# KiCad board ciaa_acc.kicad_pcb (continued)
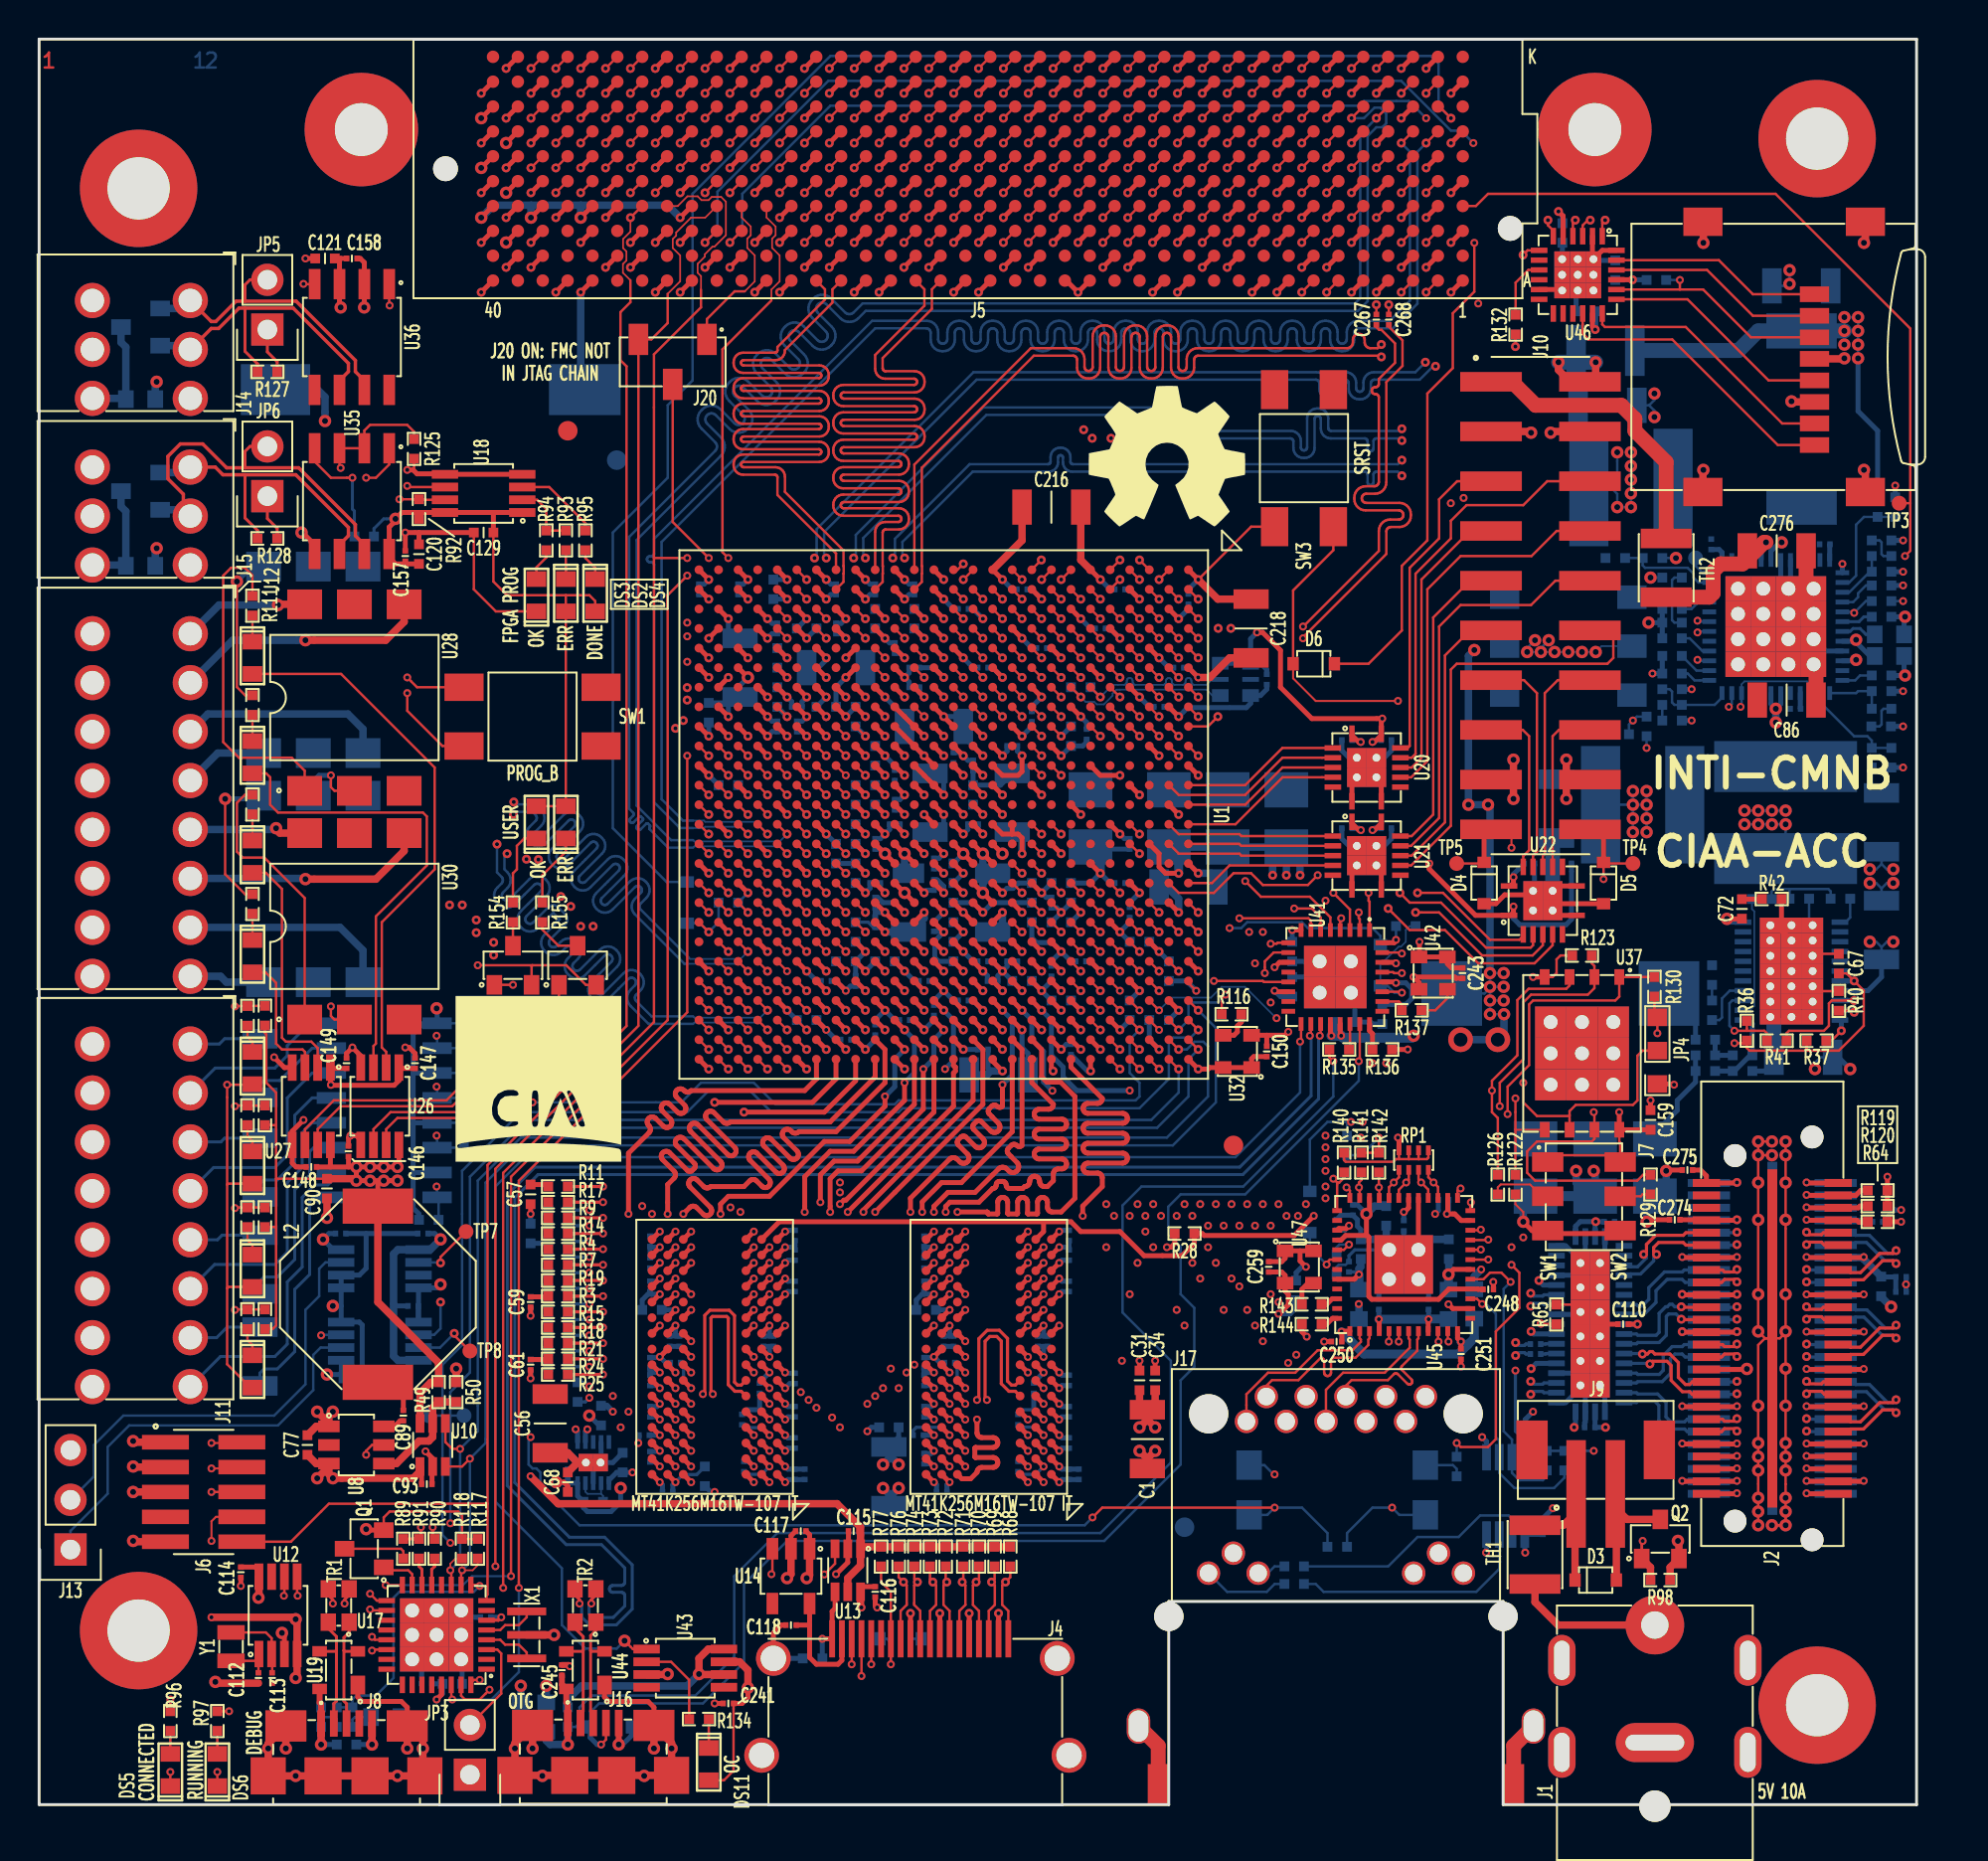
[diagram p0: board, top side]
## Routing (per net, layer and track width the routed paths; a pad name or vN(x,y) marks a point on that pad's centre or on a via; arc(x,y) is an arc through that point) (continued)
/Principal/BANKS_HR/FMC_CLK0_M2C_N: length 93.8
  TOP_L1.Sig w0.127: J5.H5 67.62,86.73 v2(67.03,86.13) ; U1.AB14 v2(38.2,49.57)
  BOT_L12.Sig w0.089: 33.4,49.26 33.47,49.19 37.82,49.19 v2(38.2,49.57)
  BOT_L12.Sig w0.127: v2(67.03,86.13) 67.66,86.13 68.2,86.67 68.5,86.67 68.8,86.37 68.8,85.87 68.6,85.67 68.3,85.67 67.85,85.22 67.85,76.78 67.36,76.29 42.21,76.29 41.84,75.92 41.73,75.83 41.6,75.76 41.45,75.73 41.31,75.73 41.17,75.76 41.04,75.83 40.92,75.92 40.21,76.63 40.16,76.67 40.1,76.7 40.03,76.71 39.96,76.71 39.89,76.7 39.83,76.67 39.78,76.63 39.73,76.57 39.7,76.51 39.69,76.44 39.69,76.37 39.7,76.31 39.73,76.24 39.78,76.19 40.48,75.48 40.57,75.37 40.64,75.23 40.67,75.09 40.67,74.95 40.64,74.81 40.57,74.67 40.48,74.56 40.43,74.5 40.31,74.41 40.18,74.35 40.04,74.32 39.89,74.32 39.75,74.35 39.62,74.41 39.51,74.5 38.8,75.21 38.74,75.26 38.68,75.29 38.61,75.3 38.55,75.3 38.48,75.29 38.41,75.26 38.36,75.21 38.32,75.16 38.29,75.1 38.27,75.03 38.27,74.96 38.29,74.89 38.32,74.83 38.36,74.77 39.07,74.07 39.16,73.95 39.22,73.82 39.26,73.68 39.26,73.53 39.22,73.39 39.16,73.26 39.07,73.15 39.01,73.09 38.9,73 38.77,72.94 38.63,72.9 38.48,72.9 38.34,72.94 38.21,73 38.09,73.09 37.38,73.8 37.33,73.84 37.27,73.87 37.2,73.89 37.13,73.89 37.06,73.87 37,73.84 36.95,73.8 36.9,73.74 36.87,73.68 36.86,73.61 36.86,73.54 36.87,73.48 36.9,73.41 36.95,73.36 37.65,72.65 37.75,72.54 37.81,72.41 37.84,72.26 37.84,72.12 37.81,71.98 37.75,71.85 37.65,71.73 37.6,71.68 37.48,71.58 37.35,71.52 37.21,71.49 37.07,71.49 36.92,71.52 36.79,71.58 36.68,71.68 35.97,72.38 35.92,72.43 35.85,72.46 35.79,72.47 35.72,72.47 35.65,72.46 35.59,72.43 35.53,72.38 35.49,72.33 35.46,72.27 35.44,72.2 35.44,72.13 35.46,72.06 35.49,72 35.53,71.95 36.24,71.24 36.33,71.12 36.39,70.99 36.43,70.85 36.43,70.7 36.39,70.56 36.33,70.43 36.24,70.32 36.18,70.26 36.07,70.17 35.94,70.11 35.8,70.07 35.65,70.07 35.51,70.11 35.38,70.17 35.26,70.26 34.56,70.97 34.5,71.01 34.44,71.04 34.37,71.06 34.3,71.06 34.23,71.04 34.17,71.01 34.12,70.97 34.07,70.92 34.04,70.85 34.03,70.79 34.03,70.72 34.04,70.65 34.07,70.59 34.12,70.53 34.83,69.82 34.92,69.71 34.98,69.58 35.01,69.44 35.01,69.29 34.98,69.15 34.92,69.02 34.83,68.9 32.32,66.4 30.52,64.59 30.52,51.02 32.28,49.26 33.4,49.26
/Principal/BANKS_HR/FMC_CLK0_M2C_P: length 93.8
  TOP_L1.Sig w0.127: J5.H4 68.89,86.73 v2(68.3,86.13) ; U1.AB15 v2(38.2,48.57)
  BOT_L12.Sig w0.089: 33.4,48.88 33.47,48.95 37.82,48.95 v2(38.2,48.57)
  BOT_L12.Sig w0.127: v2(68.3,86.13) 67.47,85.31 67.47,76.94 67.2,76.67 42.06,76.67 41.6,76.22 41.55,76.17 41.48,76.14 41.42,76.13 41.35,76.13 41.28,76.14 41.22,76.17 41.16,76.22 40.45,76.92 40.34,77.01 40.21,77.08 40.07,77.11 39.92,77.11 39.78,77.08 39.65,77.01 39.53,76.92 39.48,76.87 39.39,76.75 39.32,76.62 39.29,76.48 39.29,76.33 39.32,76.19 39.39,76.06 39.48,75.95 40.19,75.24 40.23,75.18 40.26,75.12 40.27,75.05 40.27,74.99 40.26,74.92 40.23,74.86 40.19,74.8 40.13,74.76 40.07,74.73 40,74.71 39.93,74.71 39.86,74.73 39.8,74.76 39.75,74.8 39.04,75.51 38.93,75.6 38.79,75.66 38.65,75.7 38.51,75.7 38.36,75.66 38.23,75.6 38.12,75.51 38.06,75.45 37.97,75.34 37.91,75.21 37.88,75.07 37.88,74.92 37.91,74.78 37.97,74.65 38.06,74.53 38.77,73.82 38.81,73.77 38.84,73.71 38.86,73.64 38.86,73.57 38.84,73.5 38.81,73.44 38.77,73.39 38.72,73.34 38.65,73.31 38.59,73.3 38.52,73.3 38.45,73.31 38.39,73.34 38.33,73.39 37.63,74.1 37.51,74.19 37.38,74.25 37.24,74.28 37.09,74.28 36.95,74.25 36.82,74.19 36.71,74.1 36.65,74.04 36.56,73.93 36.49,73.79 36.46,73.65 36.46,73.51 36.49,73.36 36.56,73.23 36.65,73.12 37.36,72.41 37.4,72.36 37.43,72.29 37.45,72.23 37.45,72.16 37.43,72.09 37.4,72.03 37.36,71.97 37.3,71.93 37.24,71.9 37.17,71.88 37.1,71.88 37.04,71.9 36.97,71.93 36.92,71.97 36.21,72.68 36.1,72.77 35.97,72.84 35.82,72.87 35.68,72.87 35.54,72.84 35.41,72.77 35.29,72.68 35.23,72.62 35.14,72.51 35.08,72.38 35.05,72.24 35.05,72.09 35.08,71.95 35.14,71.82 35.23,71.7 35.94,71 35.99,70.94 36.02,70.88 36.03,70.81 36.03,70.74 36.02,70.68 35.99,70.61 35.94,70.56 35.89,70.52 35.83,70.49 35.76,70.47 35.69,70.47 35.62,70.49 35.56,70.52 35.51,70.56 34.8,71.27 34.68,71.36 34.55,71.42 34.41,71.45 34.26,71.45 34.12,71.42 33.99,71.36 33.88,71.27 33.82,71.21 33.73,71.1 33.67,70.97 33.63,70.82 33.63,70.68 33.67,70.54 33.73,70.4 33.82,70.29 34.53,69.58 34.57,69.53 34.6,69.47 34.62,69.4 34.62,69.33 34.6,69.26 34.57,69.2 34.53,69.14 30.13,64.75 30.13,50.87 30.33,50.68 30.34,50.65 30.36,50.63 30.36,50.6 30.36,50.57 30.36,50.54 30.34,50.52 30.33,50.5 30.19,50.36 30.17,50.34 30.16,50.31 30.15,50.29 30.15,50.26 30.16,50.23 30.17,50.2 30.19,50.18 30.21,50.16 30.24,50.15 30.27,50.15 30.29,50.15 30.32,50.15 30.35,50.16 30.37,50.18 30.65,50.46 30.66,50.47 30.67,50.47 30.69,50.48 30.7,50.48 30.72,50.47 30.73,50.47 30.75,50.46 30.83,50.38 30.84,50.37 30.84,50.35 30.85,50.34 30.85,50.32 30.84,50.3 30.84,50.29 30.83,50.28 30.55,50 30.53,49.98 30.52,49.95 30.51,49.93 30.51,49.9 30.52,49.87 30.53,49.84 30.55,49.82 30.57,49.8 30.6,49.79 30.63,49.79 30.65,49.79 30.68,49.79 30.71,49.8 30.73,49.82 31,50.1 31.02,50.11 31.03,50.12 31.05,50.12 31.06,50.12 31.08,50.12 31.09,50.11 31.11,50.1 31.18,50.02 31.19,50.01 31.2,49.99 31.2,49.98 31.2,49.96 31.2,49.95 31.19,49.93 31.17,49.91 31.17,49.89 31.16,49.88 31.16,49.86 31.17,49.84 31.17,49.83 31.18,49.82 32.12,48.88 33.4,48.88
/Principal/BANKS_HR/FMC_LA_0_N: length 77.8
  TOP_L1.Sig w0.127: v2(64.49,84.86) 65.08,85.46 J5.G7 ; U1.AD11 v2(36.2,52.57)
  L8.Sig w0.089: v2(32.5,54.97) 32.34,55.13 32.34,64.09 32.68,64.43 62.91,64.43 63.33,64.86 63.37,64.9 63.39,64.95 63.4,65 63.4,65.06 63.39,65.12 63.37,65.17 63.33,65.21 63.3,65.24 63.26,65.29 63.24,65.34 63.23,65.39 63.23,65.45 63.24,65.5 63.26,65.55 63.3,65.6 63.34,65.63 63.39,65.66 63.45,65.67 63.5,65.67 63.56,65.66 63.61,65.63 63.65,65.6 63.69,65.56 63.73,65.53 63.78,65.5 63.83,65.49 63.89,65.49 63.95,65.5 64,65.53 64.04,65.56 64.07,65.61 64.1,65.66 64.11,65.71 64.11,65.77 64.1,65.82 64.07,65.87 64.04,65.92 64.01,65.95 63.97,65.99 63.95,66.04 63.93,66.1 63.93,66.16 63.95,66.21 63.97,66.26 64.01,66.3 64.05,66.34 64.1,66.36 64.15,66.38 64.21,66.38 64.26,66.36 64.32,66.34 64.36,66.3 64.39,66.27 64.44,66.24 64.49,66.21 64.54,66.2 64.6,66.2 64.65,66.21 64.7,66.24 64.75,66.27 64.98,66.51 64.98,71.7 64.99,71.77 65.01,71.83 65.05,71.89 65.1,71.94 65.16,71.98 65.22,72 65.29,72.01 65.45,72.01 65.46,72.01 65.47,72.01 65.48,72.02 65.49,72.03 65.5,72.04 65.5,72.05 65.5,72.06 65.5,72.28 65.5,72.29 65.5,72.3 65.49,72.31 65.48,72.32 65.47,72.33 65.46,72.33 65.45,72.33 64.77,72.33 64.71,72.34 64.64,72.36 64.58,72.4 64.53,72.45 64.49,72.51 64.47,72.57 64.46,72.64 64.46,72.9 64.47,72.97 64.49,73.03 64.53,73.09 64.58,73.14 64.64,73.18 64.71,73.2 64.77,73.21 65.45,73.21 65.46,73.21 65.47,73.21 65.48,73.22 65.49,73.23 65.5,73.24 65.5,73.25 65.5,73.26 65.5,73.48 65.5,73.49 65.5,73.5 65.49,73.51 65.48,73.52 65.47,73.53 65.46,73.53 65.45,73.53 64.77,73.53 64.71,73.54 64.64,73.56 64.58,73.6 64.53,73.65 64.49,73.71 64.47,73.77 64.46,73.84 64.46,74.1 64.47,74.17 64.49,74.23 64.53,74.29 64.58,74.34 64.64,74.38 64.71,74.4 64.77,74.41 65.45,74.41 65.46,74.41 65.47,74.41 65.48,74.42 65.49,74.43 65.5,74.44 65.5,74.45 65.5,74.46 65.5,74.68 65.5,74.69 65.5,74.7 65.49,74.71 65.48,74.72 65.47,74.73 65.46,74.73 65.45,74.73 64.77,74.73 64.71,74.74 64.64,74.76 64.58,74.8 64.53,74.85 64.49,74.91 64.47,74.97 64.46,75.04 64.46,75.3 64.47,75.37 64.49,75.43 64.53,75.49 64.58,75.54 64.64,75.58 64.71,75.6 64.77,75.61 65.45,75.61 65.46,75.61 65.47,75.61 65.48,75.62 65.49,75.63 65.5,75.64 65.5,75.65 65.5,75.66 65.5,75.88 65.5,75.89 65.5,75.9 65.49,75.91 65.48,75.92 65.47,75.93 65.46,75.93 65.45,75.93 65.12,75.93 65.12,75.94 64.77,75.94 64.71,75.95 64.64,75.97 64.58,76.01 64.53,76.06 64.49,76.12 64.47,76.18 64.46,76.25 64.46,76.51 64.47,76.58 64.49,76.64 64.53,76.7 64.58,76.75 64.64,76.79 64.71,76.81 64.77,76.82 64.93,76.82 64.94,76.82 64.95,76.82 64.96,76.83 64.97,76.84 64.98,76.85 64.98,76.86 64.98,76.87 64.98,84.37 v2(64.49,84.86)
  L10.Sig w0.089: v2(36.2,52.57) 36.63,53 36.63,54.73 36.42,54.95 33.06,54.95 33.03,54.97 v2(32.5,54.97)
/Principal/BANKS_HR/FMC_LA_0_P: length 77.8
  TOP_L1.Sig w0.127: J5.G6 66.35,85.46 v2(65.76,84.86) ; U1.AC12 v2(37.2,51.57)
  L8.Sig w0.089: v2(32.9,55.37) 32.62,55.65 32.62,63.98 32.8,64.15 63.02,64.15 65.26,66.39 65.26,71.68 65.26,71.69 65.27,71.7 65.27,71.71 65.28,71.72 65.29,71.73 65.3,71.73 65.31,71.73 65.47,71.73 65.54,71.74 65.61,71.76 65.67,71.8 65.71,71.85 65.75,71.91 65.77,71.97 65.78,72.04 65.78,72.3 65.77,72.37 65.75,72.43 65.71,72.49 65.67,72.54 65.61,72.58 65.54,72.6 65.47,72.61 64.79,72.61 64.78,72.61 64.77,72.61 64.76,72.62 64.75,72.63 64.75,72.64 64.74,72.65 64.74,72.66 64.74,72.88 64.74,72.89 64.75,72.9 64.75,72.91 64.76,72.92 64.77,72.93 64.78,72.93 64.79,72.93 65.47,72.93 65.54,72.94 65.61,72.96 65.67,73 65.71,73.05 65.75,73.11 65.77,73.17 65.78,73.24 65.78,73.5 65.77,73.57 65.75,73.63 65.71,73.69 65.67,73.74 65.61,73.78 65.54,73.8 65.47,73.81 64.79,73.81 64.78,73.81 64.77,73.81 64.76,73.82 64.75,73.83 64.75,73.84 64.74,73.85 64.74,73.86 64.74,74.08 64.74,74.09 64.75,74.1 64.75,74.11 64.76,74.12 64.77,74.13 64.78,74.13 64.79,74.13 65.47,74.13 65.54,74.14 65.61,74.16 65.67,74.2 65.71,74.25 65.75,74.31 65.77,74.37 65.78,74.44 65.78,74.7 65.77,74.77 65.75,74.83 65.71,74.89 65.67,74.94 65.61,74.98 65.54,75 65.47,75.01 64.79,75.01 64.78,75.01 64.77,75.01 64.76,75.02 64.75,75.03 64.75,75.04 64.74,75.05 64.74,75.06 64.74,75.28 64.74,75.29 64.75,75.3 64.75,75.31 64.76,75.32 64.77,75.33 64.78,75.33 64.79,75.33 65.47,75.33 65.54,75.34 65.61,75.36 65.67,75.4 65.71,75.45 65.75,75.51 65.77,75.57 65.78,75.64 65.78,75.9 65.77,75.97 65.75,76.03 65.71,76.09 65.67,76.14 65.61,76.18 65.54,76.2 65.47,76.21 65.12,76.21 65.12,76.22 64.79,76.22 64.78,76.22 64.77,76.22 64.76,76.23 64.75,76.24 64.75,76.25 64.74,76.26 64.74,76.27 64.74,76.49 64.74,76.5 64.75,76.51 64.75,76.52 64.76,76.53 64.77,76.54 64.78,76.54 64.79,76.54 64.95,76.54 65.02,76.55 65.09,76.57 65.15,76.61 65.19,76.66 65.23,76.72 65.25,76.78 65.26,76.85 65.26,84.37 v2(65.76,84.86)
  L10.Sig w0.089: v2(32.9,55.37) 32.9,55.36 33.07,55.19 36.52,55.19 36.83,54.89 36.83,53.24 37,53.07 37.4,53.07 37.7,52.77 37.7,52.07 v2(37.2,51.57)
/Principal/BANKS_HR/FMC_LA_1_N: length 77.8
  TOP_L1.Sig w0.127: J5.D9 62.54,81.65 v2(61.95,81.05) ; U1.AD13 v2(36.2,50.57)
  L5.Sig w0.089: v2(36.2,50.57) 35.58,51.19 35.58,51.84 35.47,51.95 34.92,51.95 34.58,52.29 34.58,52.84 34.58,56.02 33.98,56.61 33.29,56.61 v2(33.1,56.42)
  L10.Sig w0.089: v2(33.1,56.42) 32.98,56.53 32.23,56.53 31.58,57.18 31.58,63.46 32.55,64.43 61.38,64.43 62.44,65.49 62.44,66.17 62.44,66.2 62.43,66.22 62.42,66.25 62.4,66.27 62.37,66.28 62.35,66.29 62.32,66.3 62.1,66.3 62.07,66.3 62.04,66.31 62.02,66.32 62,66.34 61.99,66.37 61.98,66.39 61.97,66.42 61.98,66.45 61.99,66.47 62,66.5 62.02,66.52 62.04,66.53 62.07,66.54 62.1,66.55 62.32,66.55 62.35,66.55 62.37,66.56 62.4,66.57 62.42,66.59 62.43,66.62 62.44,66.64 62.44,66.67 62.44,67.87 62.44,67.91 62.43,67.94 62.41,67.97 62.38,68 62.35,68.01 62.32,68.03 62.28,68.03 61.67,68.03 61.58,68.04 61.49,68.07 61.41,68.12 61.35,68.19 61.3,68.26 61.27,68.35 61.25,68.44 61.25,68.5 61.27,68.59 61.3,68.68 61.35,68.75 61.41,68.82 61.49,68.87 61.58,68.9 61.67,68.91 63,68.91 63.03,68.91 63.06,68.92 63.08,68.94 63.1,68.96 63.12,68.99 63.13,69.01 63.13,69.04 63.13,69.1 63.13,69.13 63.12,69.15 63.1,69.18 63.08,69.2 63.06,69.22 63.03,69.23 63,69.23 61.67,69.23 61.58,69.24 61.49,69.27 61.41,69.32 61.35,69.39 61.3,69.46 61.27,69.55 61.25,69.64 61.25,69.7 61.27,69.79 61.3,69.88 61.35,69.95 61.41,70.02 61.49,70.07 61.58,70.1 61.67,70.11 63,70.11 63.03,70.11 63.06,70.12 63.08,70.14 63.1,70.16 63.12,70.19 63.13,70.21 63.13,70.24 63.13,70.3 63.13,70.33 63.12,70.35 63.1,70.38 63.08,70.4 63.06,70.42 63.03,70.43 63,70.43 61.67,70.43 61.58,70.44 61.49,70.47 61.41,70.52 61.35,70.59 61.3,70.66 61.27,70.75 61.25,70.84 61.25,70.9 61.27,70.99 61.3,71.08 61.35,71.15 61.41,71.22 61.49,71.27 61.58,71.3 61.67,71.31 63,71.31 63.03,71.31 63.06,71.32 63.08,71.34 63.1,71.36 63.12,71.39 63.13,71.41 63.13,71.44 63.13,71.5 63.13,71.53 63.12,71.55 63.1,71.58 63.08,71.6 63.06,71.62 63.03,71.63 63,71.63 61.67,71.63 61.58,71.64 61.49,71.67 61.41,71.72 61.35,71.79 61.3,71.86 61.27,71.95 61.25,72.04 61.25,72.1 61.27,72.19 61.3,72.28 61.35,72.35 61.41,72.42 61.49,72.47 61.58,72.5 61.67,72.51 62.28,72.51 62.32,72.51 62.35,72.53 62.38,72.54 62.41,72.57 62.43,72.6 62.44,72.63 62.44,72.67 62.44,80.56 v2(61.95,81.05)
/Principal/BANKS_HR/FMC_LA_1_P: length 77.8
  TOP_L1.Sig w0.127: U1.AC13 v2(37.2,50.57) ; J5.D8 63.81,81.65 v2(63.22,81.05)
  L5.Sig w0.089: v2(37.2,50.57) U1.AC13 36.1,51.07 35.83,51.34 35.83,51.94 35.57,52.2 35.02,52.2 34.83,52.39 34.83,52.94 34.82,52.95 34.82,56.12 34.09,56.86 33.29,56.86 v2(33.1,57.05)
  L10.Sig w0.089: v2(63.22,81.05) 62.72,80.56 62.72,72.64 62.71,72.55 62.68,72.46 62.63,72.39 62.57,72.32 62.49,72.27 62.4,72.24 62.31,72.23 61.69,72.23 61.66,72.23 61.62,72.21 61.59,72.2 61.57,72.17 61.55,72.14 61.54,72.11 61.53,72.07 61.54,72.03 61.55,72 61.57,71.97 61.59,71.94 61.62,71.93 61.66,71.91 61.69,71.91 63.02,71.91 63.11,71.9 63.19,71.87 63.26,71.82 63.33,71.76 63.37,71.69 63.4,71.61 63.41,71.52 63.41,71.42 63.4,71.33 63.37,71.25 63.33,71.18 63.26,71.12 63.19,71.07 63.11,71.04 63.02,71.03 61.69,71.03 61.66,71.03 61.62,71.01 61.59,71 61.57,70.97 61.55,70.94 61.54,70.91 61.53,70.87 61.54,70.83 61.55,70.8 61.57,70.77 61.59,70.74 61.62,70.73 61.66,70.71 61.69,70.71 63.02,70.71 63.11,70.7 63.19,70.67 63.26,70.62 63.33,70.56 63.37,70.49 63.4,70.41 63.41,70.32 63.41,70.22 63.4,70.13 63.37,70.05 63.33,69.98 63.26,69.92 63.19,69.87 63.11,69.84 63.02,69.83 61.69,69.83 61.66,69.83 61.62,69.81 61.59,69.8 61.57,69.77 61.55,69.74 61.54,69.71 61.53,69.67 61.54,69.63 61.55,69.6 61.57,69.57 61.59,69.54 61.62,69.53 61.66,69.51 61.69,69.51 63.02,69.51 63.11,69.5 63.19,69.47 63.26,69.42 63.33,69.36 63.37,69.29 63.4,69.21 63.41,69.12 63.41,69.02 63.4,68.93 63.37,68.85 63.33,68.78 63.26,68.72 63.19,68.67 63.11,68.64 63.02,68.63 61.69,68.63 61.66,68.63 61.62,68.61 61.59,68.6 61.57,68.57 61.55,68.54 61.54,68.51 61.53,68.47 61.54,68.43 61.55,68.4 61.57,68.37 61.59,68.34 61.62,68.33 61.66,68.31 61.69,68.31 62.31,68.31 62.4,68.3 62.49,68.27 62.57,68.22 62.63,68.15 62.68,68.08 62.71,67.99 62.72,67.9 62.72,65.38 61.5,64.15 32.67,64.15 31.86,63.34 31.86,57.29 32.34,56.81 32.97,56.81 33.1,56.94 v2(33.1,57.05)
/Principal/BANKS_HR/FMC_LA_2_N: length 77.7
  TOP_L1.Sig w0.127: v2(63.22,86.13) 63.81,86.73 J5.H8 ; U1.AA10 v2(39.2,53.57)
  L8.Sig w0.089: v2(63.22,86.13) 63.71,85.64 63.71,71.97 63.71,71.96 63.71,71.95 63.7,71.94 63.69,71.93 63.68,71.92 63.67,71.92 63.66,71.91 63.5,71.91 63.43,71.91 63.36,71.88 63.3,71.85 63.25,71.8 63.22,71.74 63.19,71.67 63.18,71.6 63.18,71.35 63.19,71.28 63.22,71.21 63.25,71.15 63.3,71.1 63.36,71.07 63.43,71.04 63.5,71.04 63.85,71.04 63.85,71.03 64.19,71.03 64.2,71.03 64.21,71.02 64.22,71.02 64.23,71.01 64.24,71 64.24,70.99 64.24,70.98 64.24,70.76 64.24,70.75 64.24,70.74 64.23,70.73 64.22,70.72 64.21,70.72 64.2,70.71 64.19,70.71 63.5,70.71 63.43,70.7 63.36,70.68 63.3,70.64 63.25,70.59 63.22,70.53 63.19,70.46 63.18,70.39 63.18,70.15 63.19,70.08 63.22,70.01 63.25,69.95 63.3,69.9 63.36,69.86 63.43,69.84 63.5,69.83 64.19,69.83 64.2,69.83 64.21,69.82 64.22,69.82 64.23,69.81 64.24,69.8 64.24,69.79 64.24,69.78 64.24,69.56 64.24,69.55 64.24,69.54 64.23,69.53 64.22,69.52 64.21,69.52 64.2,69.51 64.19,69.51 63.5,69.51 63.43,69.5 63.36,69.48 63.3,69.44 63.25,69.39 63.22,69.33 63.19,69.26 63.18,69.19 63.18,68.95 63.19,68.88 63.22,68.81 63.25,68.75 63.3,68.7 63.36,68.66 63.43,68.64 63.5,68.63 64.19,68.63 64.2,68.63 64.21,68.62 64.22,68.62 64.23,68.61 64.24,68.6 64.24,68.59 64.24,68.58 64.24,68.36 64.24,68.35 64.24,68.34 64.23,68.33 64.22,68.32 64.21,68.32 64.2,68.31 64.19,68.31 64.03,68.31 63.96,68.3 63.89,68.28 63.83,68.24 63.78,68.19 63.74,68.13 63.72,68.06 63.71,67.99 63.71,67.14 63.54,66.97 63.49,66.93 63.43,66.9 63.37,66.89 63.3,66.89 63.24,66.9 63.18,66.93 63.08,67.01 63.02,67.04 62.96,67.05 62.89,67.05 62.83,67.04 62.77,67.01 62.72,66.97 62.71,66.96 62.67,66.91 62.64,66.85 62.62,66.78 62.62,66.72 62.64,66.66 62.67,66.6 62.75,66.49 62.78,66.44 62.79,66.37 62.79,66.31 62.78,66.24 62.75,66.19 62.71,66.14 61.76,65.19 32.4,65.19 31.58,64.37 31.58,54.65 32.3,53.93 33.79,53.93 33.8,53.94 38.83,53.94 v2(39.2,53.57)
/Principal/BANKS_HR/FMC_LA_2_P: length 77.7
  TOP_L1.Sig w0.127: v2(64.49,86.13) 65.08,86.73 J5.H7 ; U1.Y10 v2(40.2,53.57)
  L8.Sig w0.089: v2(64.49,86.13) 63.99,85.64 63.99,71.95 63.98,71.88 63.96,71.81 63.92,71.75 63.87,71.7 63.81,71.67 63.75,71.64 63.68,71.64 63.52,71.64 63.51,71.63 63.49,71.63 63.48,71.62 63.48,71.61 63.47,71.6 63.46,71.59 63.46,71.58 63.46,71.37 63.46,71.36 63.47,71.35 63.48,71.34 63.48,71.33 63.49,71.32 63.51,71.32 63.52,71.31 63.85,71.31 63.85,71.31 64.21,71.31 64.28,71.3 64.34,71.28 64.4,71.24 64.45,71.19 64.49,71.13 64.51,71.06 64.52,70.99 64.52,70.75 64.51,70.68 64.49,70.61 64.45,70.55 64.4,70.5 64.34,70.46 64.28,70.44 64.21,70.43 63.52,70.43 63.51,70.43 63.49,70.42 63.48,70.42 63.48,70.41 63.47,70.4 63.46,70.39 63.46,70.38 63.46,70.16 63.46,70.15 63.47,70.14 63.48,70.13 63.48,70.12 63.49,70.12 63.51,70.11 63.52,70.11 64.21,70.11 64.28,70.1 64.34,70.08 64.4,70.04 64.45,69.99 64.49,69.93 64.51,69.86 64.52,69.79 64.52,69.55 64.51,69.48 64.49,69.41 64.45,69.35 64.4,69.3 64.34,69.26 64.28,69.24 64.21,69.23 63.52,69.23 63.51,69.23 63.49,69.22 63.48,69.22 63.48,69.21 63.47,69.2 63.46,69.19 63.46,69.18 63.46,68.96 63.46,68.95 63.47,68.94 63.48,68.93 63.48,68.92 63.49,68.92 63.51,68.91 63.52,68.91 64.21,68.91 64.28,68.9 64.34,68.88 64.4,68.84 64.45,68.79 64.49,68.73 64.51,68.66 64.52,68.59 64.52,68.35 64.51,68.28 64.49,68.21 64.45,68.15 64.4,68.1 64.34,68.06 64.28,68.04 64.21,68.03 64.05,68.03 64.04,68.03 64.02,68.02 64.01,68.02 64,68.01 64,68 63.99,67.99 63.99,67.98 63.99,67.03 61.88,64.91 32.52,64.91 31.86,64.25 31.86,54.77 32.41,54.21 33.76,54.21 33.78,54.19 39.58,54.19 v2(40.2,53.57)
/Principal/BANKS_HR/FMC_LA_3_N: length 77.7
  TOP_L1.Sig w0.127: U1.AB10 v2(38.2,53.57) ; J5.G10 61.27,85.46 v2(60.68,84.86)
  L8.Sig w0.089: v2(60.68,84.86) 61.31,84.86 61.82,85.37 62.2,85.37 62.46,85.12 62.46,84.72 62.2,84.47 62.06,84.47 61.45,83.86 61.45,76.85 61.44,76.77 61.42,76.7 61.38,76.64 61.33,76.59 61.26,76.55 61.19,76.52 61.12,76.51 60.95,76.51 60.94,76.51 60.92,76.5 60.91,76.49 60.89,76.48 60.88,76.47 60.88,76.45 60.88,76.43 60.88,76.27 60.88,76.25 60.88,76.24 60.89,76.22 60.91,76.21 60.92,76.2 60.94,76.19 60.95,76.19 61.31,76.19 61.31,76.18 61.69,76.18 61.77,76.18 61.84,76.15 61.9,76.11 61.96,76.06 62,75.99 62.02,75.92 62.03,75.85 62.03,75.64 62.02,75.57 62,75.5 61.96,75.43 61.9,75.38 61.84,75.34 61.77,75.31 61.69,75.31 60.95,75.31 60.94,75.3 60.92,75.3 60.91,75.29 60.89,75.28 60.88,75.26 60.88,75.24 60.88,75.23 60.88,75.06 60.88,75.05 60.88,75.03 60.89,75.01 60.91,75 60.92,74.99 60.94,74.99 60.95,74.98 61.69,74.98 61.77,74.98 61.84,74.95 61.9,74.91 61.96,74.86 62,74.79 62.02,74.72 62.03,74.65 62.03,74.44 62.02,74.37 62,74.3 61.96,74.23 61.9,74.18 61.84,74.14 61.77,74.11 61.69,74.11 60.95,74.11 60.94,74.1 60.92,74.1 60.91,74.09 60.89,74.08 60.88,74.06 60.88,74.04 60.88,74.03 60.88,73.86 60.88,73.85 60.88,73.83 60.89,73.81 60.91,73.8 60.92,73.79 60.94,73.79 60.95,73.78 61.69,73.78 61.77,73.78 61.84,73.75 61.9,73.71 61.96,73.66 62,73.59 62.02,73.52 62.03,73.45 62.03,73.24 62.02,73.17 62,73.1 61.96,73.03 61.9,72.98 61.84,72.94 61.77,72.91 61.69,72.91 61.53,72.91 61.51,72.9 61.5,72.9 61.48,72.89 61.47,72.88 61.46,72.86 61.45,72.84 61.45,72.83 61.45,66.14 60.99,65.67 32.29,65.67 31.1,64.49 31.1,54.31 32.2,53.21 33.88,53.21 33.9,53.19 37.82,53.19 v2(38.2,53.57)
/Principal/BANKS_HR/FMC_LA_3_P: length 77.7
  TOP_L1.Sig w0.127: U1.AB11 v2(38.2,52.57) ; v2(61.95,84.86) 62.54,85.46 J5.G9
  L8.Sig w0.089: v2(61.95,84.86) 61.17,84.09 61.17,76.87 61.17,76.85 61.17,76.84 61.16,76.82 61.14,76.81 61.13,76.8 61.11,76.79 61.09,76.79 60.93,76.79 60.86,76.78 60.79,76.76 60.72,76.72 60.67,76.66 60.63,76.6 60.61,76.53 60.6,76.45 60.6,76.25 60.61,76.17 60.63,76.1 60.67,76.04 60.72,75.99 60.79,75.95 60.86,75.92 60.93,75.91 61.31,75.91 61.31,75.91 61.67,75.91 61.69,75.9 61.71,75.9 61.72,75.89 61.73,75.88 61.74,75.86 61.75,75.84 61.75,75.83 61.75,75.66 61.75,75.65 61.74,75.63 61.73,75.61 61.72,75.6 61.71,75.59 61.69,75.59 61.67,75.58 60.93,75.58 60.86,75.58 60.79,75.55 60.72,75.51 60.67,75.46 60.63,75.39 60.61,75.32 60.6,75.25 60.6,75.04 60.61,74.97 60.63,74.9 60.67,74.83 60.72,74.78 60.79,74.74 60.86,74.71 60.93,74.71 61.67,74.71 61.69,74.7 61.71,74.7 61.72,74.69 61.73,74.68 61.74,74.66 61.75,74.64 61.75,74.63 61.75,74.46 61.75,74.45 61.74,74.43 61.73,74.41 61.72,74.4 61.71,74.39 61.69,74.39 61.67,74.38 60.93,74.38 60.86,74.38 60.79,74.35 60.72,74.31 60.67,74.26 60.63,74.19 60.61,74.12 60.6,74.05 60.6,73.84 60.61,73.77 60.63,73.7 60.67,73.63 60.72,73.58 60.79,73.54 60.86,73.51 60.93,73.51 61.67,73.51 61.69,73.5 61.71,73.5 61.72,73.49 61.73,73.48 61.74,73.46 61.75,73.44 61.75,73.43 61.75,73.26 61.75,73.25 61.74,73.23 61.73,73.21 61.72,73.2 61.71,73.19 61.69,73.19 61.67,73.18 61.51,73.18 61.44,73.18 61.36,73.15 61.3,73.11 61.25,73.06 61.21,72.99 61.18,72.92 61.17,72.85 61.17,68.07 61.17,68 61.14,67.94 61.11,67.88 61.06,67.84 61,67.8 60.94,67.78 60.87,67.77 60.47,67.77 60.41,67.76 60.34,67.74 60.29,67.7 60.24,67.66 60.2,67.6 60.18,67.54 60.17,67.47 60.18,67.4 60.2,67.34 60.24,67.28 60.29,67.24 60.34,67.2 60.41,67.18 60.47,67.17 60.87,67.17 60.94,67.16 61,67.14 61.06,67.1 61.11,67.06 61.14,67 61.17,66.94 61.17,66.87 61.17,66.25 60.87,65.95 60.82,65.96 60.77,65.98 60.72,66.01 60.68,66.05 60.65,66.1 60.63,66.15 60.62,66.26 60.6,66.31 60.57,66.36 60.53,66.4 60.48,66.43 60.43,66.45 60.37,66.45 60.27,66.45 60.22,66.45 60.17,66.43 60.12,66.4 60.08,66.36 60.05,66.31 60.03,66.26 60.02,66.15 60,66.1 59.97,66.05 59.93,66.01 59.88,65.98 59.83,65.96 59.77,65.95 32.17,65.95 30.82,64.6 30.82,54.2 32.09,52.93 33.88,52.93 33.9,52.95 37.82,52.95 v2(38.2,52.57)
/Principal/BANKS_HR/FMC_LA_4_N: length 77.7
  TOP_L1.Sig w0.127: J5.H11 60,86.73 v2(59.41,86.13) ; U1.Y11 v2(40.2,52.57)
  L8.Sig w0.089: v2(40.2,52.57) 39.82,52.19 33.9,52.19 33.88,52.21 32.06,52.21 30.34,53.93 30.34,64.87 31.91,66.44 58.2,66.44 60.18,68.42 60.18,70.29 60.17,70.36 60.15,70.43 60.11,70.49 60.06,70.54 60,70.58 59.93,70.6 59.86,70.61 59.7,70.61 59.69,70.61 59.68,70.62 59.67,70.62 59.66,70.63 59.65,70.64 59.65,70.66 59.64,70.67 59.64,70.87 59.65,70.88 59.65,70.9 59.66,70.91 59.67,70.92 59.68,70.92 59.69,70.93 59.7,70.93 60.4,70.93 60.47,70.94 60.54,70.96 60.6,71 60.65,71.05 60.69,71.11 60.71,71.18 60.72,71.25 60.72,71.49 60.71,71.56 60.69,71.63 60.65,71.69 60.6,71.74 60.54,71.78 60.47,71.8 60.4,71.81 60.04,71.81 59.7,71.81 59.69,71.81 59.68,71.82 59.67,71.82 59.66,71.83 59.65,71.84 59.65,71.86 59.64,71.87 59.64,72.07 59.65,72.08 59.65,72.1 59.66,72.11 59.67,72.12 59.68,72.12 59.69,72.13 59.7,72.13 59.86,72.13 59.93,72.14 60,72.16 60.06,72.2 60.11,72.25 60.15,72.31 60.17,72.38 60.18,72.45 60.18,85.13 60.79,85.74 60.93,85.74 61.19,85.99 61.19,86.39 60.93,86.64 60.55,86.64 60.04,86.13 v2(59.41,86.13)
/Principal/BANKS_HR/FMC_LA_4_P: length 77.7
  TOP_L1.Sig w0.127: J5.H10 61.27,86.73 v2(60.68,86.13) ; U1.Y12 v2(40.2,51.57)
  L8.Sig w0.089: v2(40.2,51.57) 39.82,51.95 33.9,51.95 33.88,51.93 31.95,51.93 30.06,53.82 30.06,64.98 31.79,66.72 58.08,66.72 58.7,67.34 58.73,67.37 58.75,67.41 58.76,67.46 58.76,67.5 58.75,67.55 58.73,67.59 58.7,67.62 58.5,67.83 58.47,67.86 58.45,67.9 58.44,67.94 58.44,67.99 58.45,68.03 58.47,68.07 58.5,68.11 58.53,68.14 58.57,68.16 58.62,68.17 58.66,68.17 58.71,68.16 58.75,68.14 58.78,68.11 58.99,67.9 59.02,67.88 59.06,67.86 59.1,67.85 59.15,67.85 59.19,67.86 59.23,67.88 59.27,67.9 59.3,67.94 59.32,67.98 59.33,68.02 59.33,68.07 59.32,68.11 59.3,68.15 59.27,68.19 59.06,68.39 59.04,68.43 59.02,68.47 59.01,68.51 59.01,68.55 59.02,68.6 59.04,68.64 59.06,68.67 59.1,68.7 59.14,68.72 59.18,68.73 59.23,68.73 59.27,68.72 59.31,68.7 59.35,68.67 59.55,68.47 59.59,68.44 59.63,68.42 59.67,68.41 59.72,68.41 59.76,68.42 59.8,68.44 59.83,68.47 59.9,68.54 59.9,70.27 59.9,70.28 59.9,70.3 59.89,70.31 59.88,70.32 59.87,70.32 59.86,70.33 59.84,70.33 59.68,70.33 59.61,70.34 59.55,70.36 59.49,70.4 59.43,70.45 59.4,70.51 59.37,70.58 59.36,70.65 59.36,70.89 59.37,70.96 59.4,71.03 59.43,71.09 59.49,71.14 59.55,71.18 59.61,71.2 59.68,71.21 60.38,71.21 60.4,71.21 60.41,71.22 60.42,71.22 60.43,71.23 60.44,71.24 60.44,71.26 60.44,71.27 60.44,71.47 60.44,71.48 60.44,71.5 60.43,71.51 60.42,71.52 60.41,71.52 60.4,71.53 60.38,71.53 60.04,71.53 59.68,71.53 59.61,71.54 59.55,71.56 59.49,71.6 59.43,71.65 59.4,71.71 59.37,71.78 59.36,71.85 59.36,72.09 59.37,72.16 59.4,72.23 59.43,72.29 59.49,72.34 59.55,72.38 59.61,72.4 59.68,72.41 59.84,72.41 59.86,72.41 59.87,72.42 59.88,72.42 59.89,72.43 59.9,72.44 59.9,72.46 59.9,72.47 59.9,85.36 v2(60.68,86.13)
/Principal/BANKS_HR/FMC_LA_5_N: length 77.7
  TOP_L1.Sig w0.127: U1.AF10 v2(34.2,53.57) ; J5.D12 58.73,81.65 v2(58.14,81.05)